# KiCad board for_real_486_2.kicad_pcb (continued)
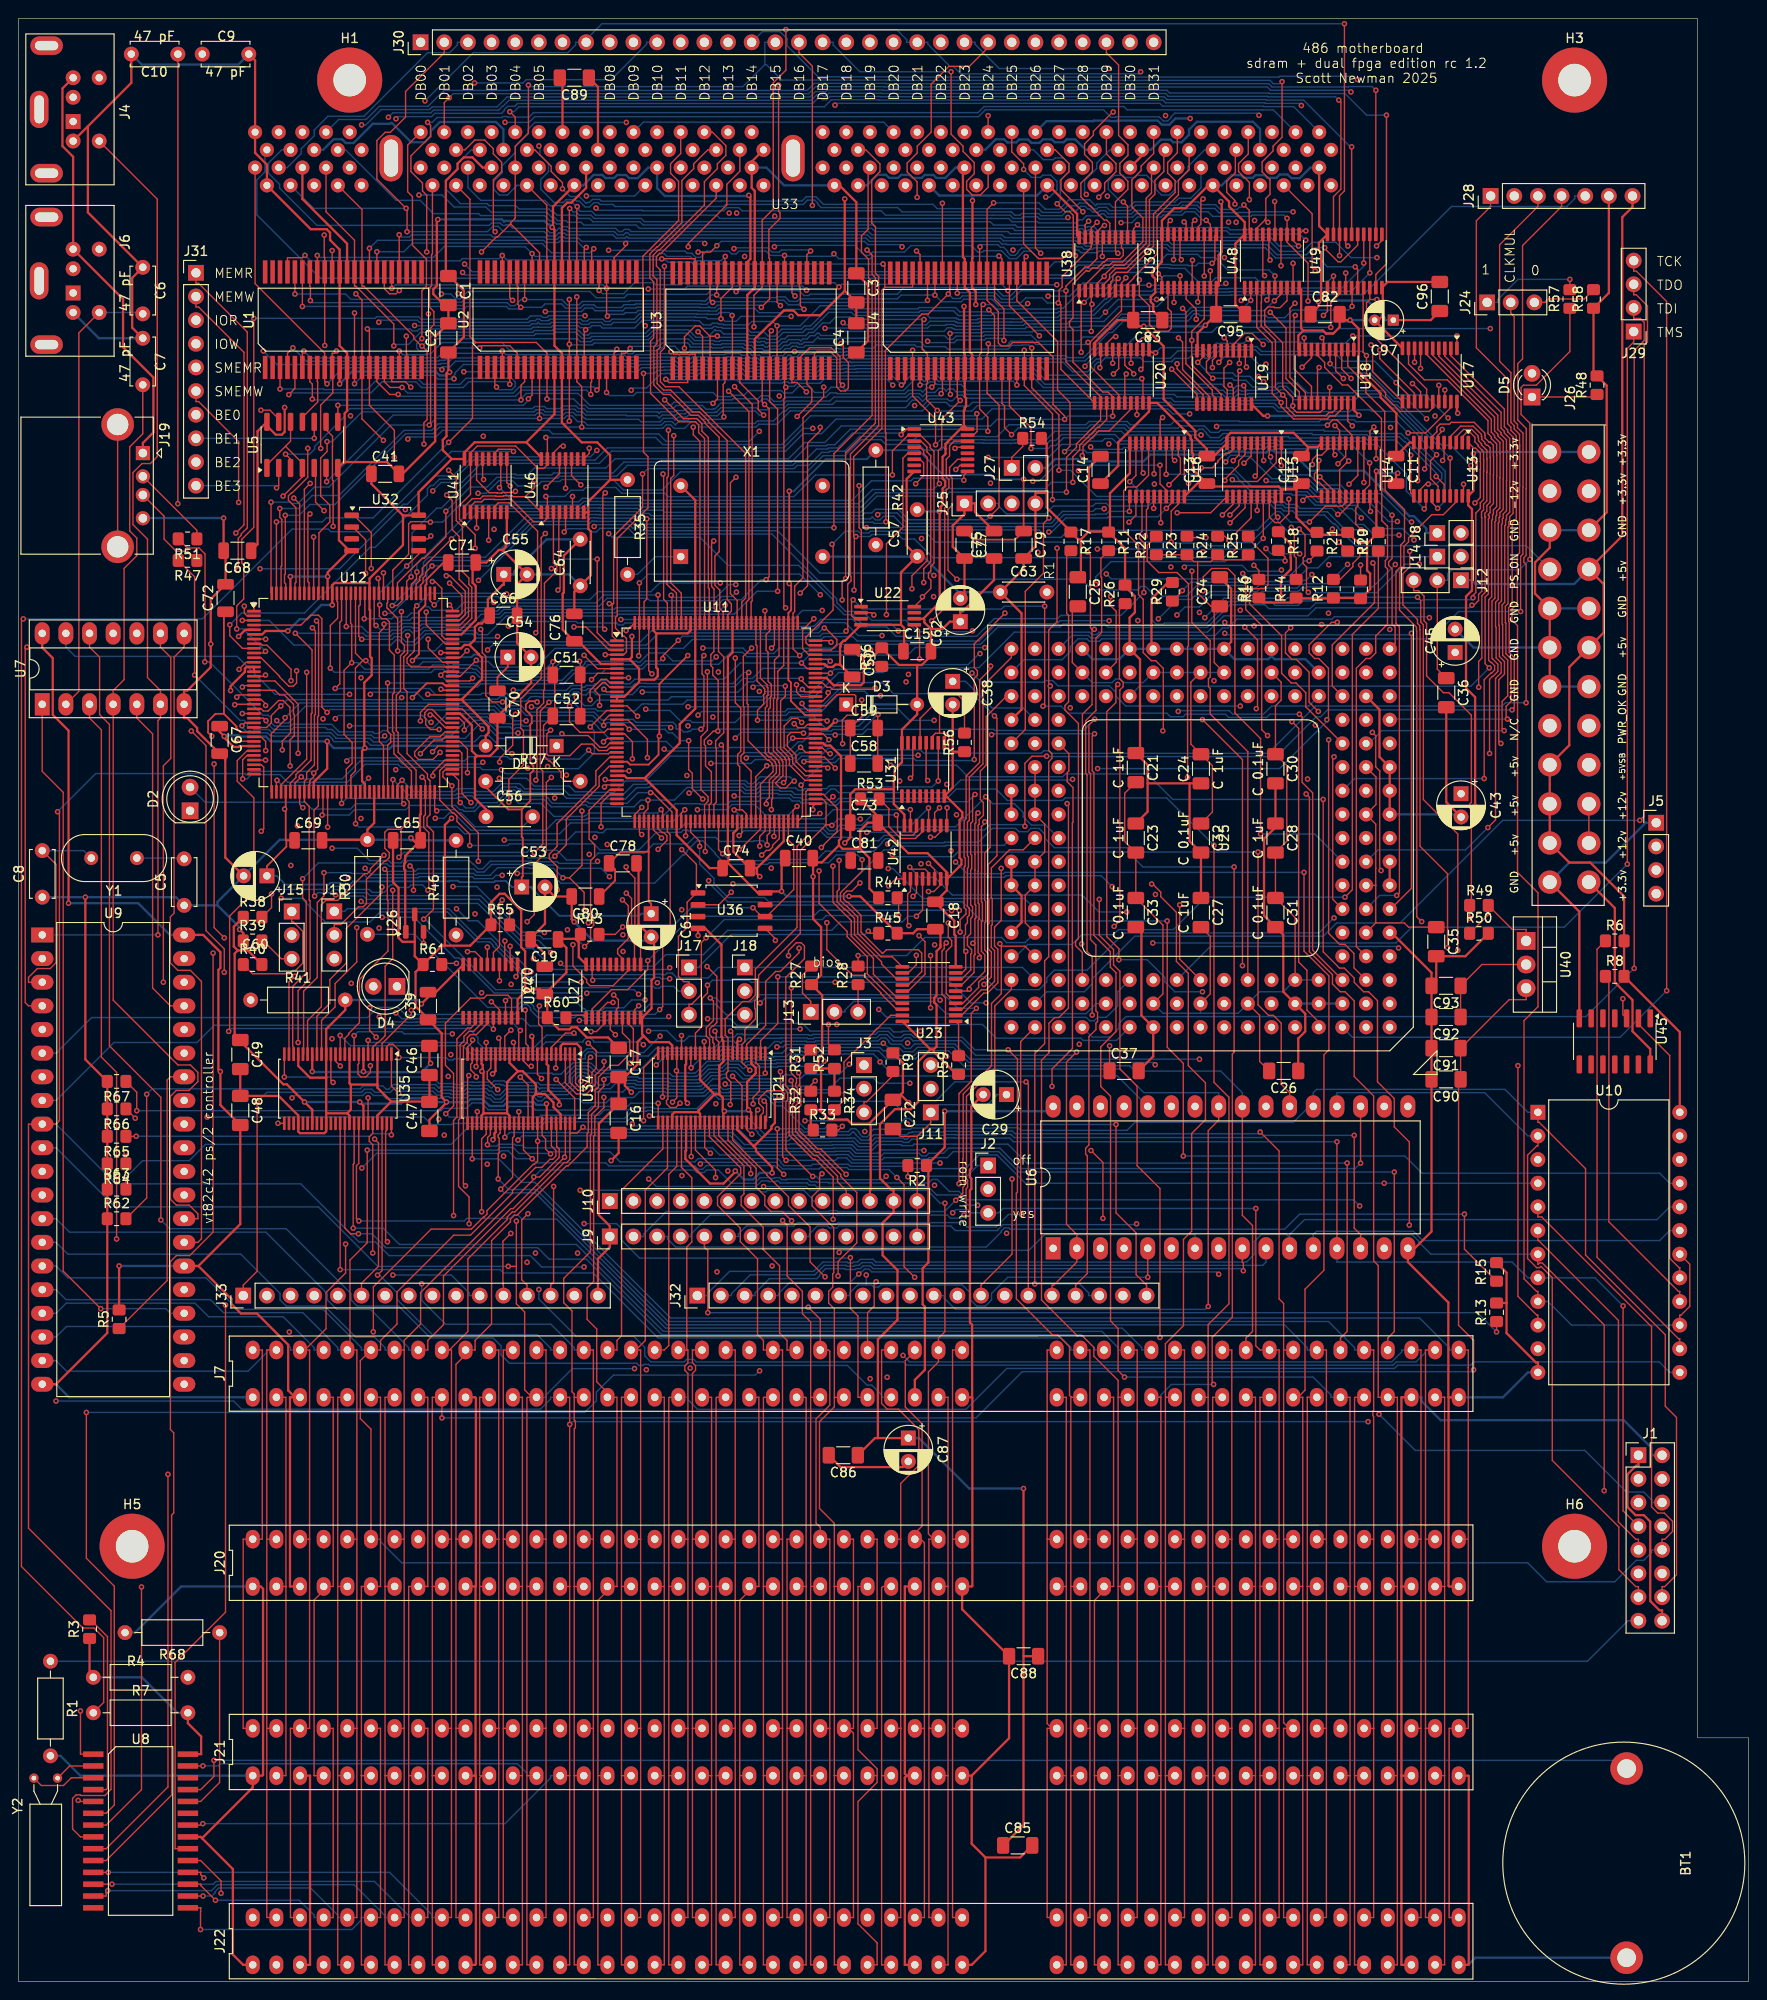
[diagram p0: board, top side]
## Routing (per net, layer and track width the routed paths; a pad name or vN(x,y) marks a point on that pad's centre or on a via; arc(x,y) is an arc through that point) (continued)
D29: length 84.9
  Top w0.15: v1(117.52,173.81) 117.52,173.81 U20.7 ; v1(118.06,139.3) 117.86,139.1 117.86,137.36 116.88,136.38 116.88,112.22 118.19,110.91 v1(118.19,109.74)
  In1.Cu w0.15: v1(118.06,139.3) 118.06,144.02 v1(120.22,146.17)
  In2.Cu w0.15: v1(120.22,146.17) 119.03,147.36 119.03,153.07 118.52,153.59 118.52,167.03 119.04,167.55 119.04,170.02 117.02,172.04 117.02,172.89 117.52,173.39 v1(117.52,173.81) ; v1(127.16,106.3) 128.05,105.41 128.05,103.93 U25.A8
  Bottom w0.15: v1(118.19,109.74) 121.21,109.74 123.13,107.82 123.13,107.36 124.19,106.3 v1(127.16,106.3)
D30: length 76.5
  Top w0.15: v1(117.84,176.67) 117.61,176.67 116.87,175.93 U20.8 ; U25.C9 124.71,109.8 v1(124.71,115.63)
  In2.Cu w0.15: v1(124.71,115.63) 124.71,115.67 118.29,122.09 118.29,138.71 118.64,139.06 118.64,139.54 118.24,139.94 118.24,153.19 118.16,153.27 118.16,167.17 118.69,167.7 118.69,168.47 116.66,170.5 116.66,173.03 116.94,173.31 116.94,175.77 v1(117.84,176.67)
D31: length 76.4
  Top w0.15: U20.9 116.22,173.41 v1(116.14,173.33)
  In2.Cu w0.15: U25.B8 128.05,106.47 128.05,108.28 117.89,118.44 117.89,138.66 117.49,139.06 117.49,139.54 117.89,139.94 117.89,153.05 117.81,153.12 117.81,167.32 118.14,167.65 118.14,168.52 116.14,170.52 v1(116.14,173.33)
D/C: length 123.7
  Top w0.15: 102.71,111.51 102.71,110.34 102.75,110.31 102.62,110.19 102.62,108.36 101.28,107.02 U23.7 ; 102.71,111.51 102.71,114.12 102.82,114.22 102.82,115.57 102.71,115.67 102.71,119.35 102.73,119.37 102.73,121.09 102.71,121.1 102.71,124.33 102.83,124.44 102.83,125.28 v1(103.05,125.51) ; 102.71,111.51 v1(102.49,111.51)
  In1.Cu w0.15: U25.M15 110.44,129.16 106.43,129.16 104.45,127.18 104.45,126.91 v1(103.05,125.51) ; J33.2 27.8,73.66 27.8,73.9 46.16,92.27 46.27,92.27 50.76,96.76 52.2,96.76 54.66,99.22 54.93,99.22 65.93,110.22 68.39,110.22 69.33,111.16 76.18,111.16 76.46,111.44 76.46,111.44 77.42,112.4 88.4,112.4 88.67,112.13 96.1,112.13 96.48,111.75 96.95,111.75 97.33,112.13 100.4,112.13 101.02,111.51 v1(102.49,111.51)
DACK0: length 65.1
  Top w0.15: 128.26,22.1 128.26,42.42 ; 128.26,22.1 J21.70 ; 128.26,22.1 128.26,1.78 J22.70 ; 128.26,42.42 J20.70 ; 128.26,42.42 128.26,62.74 J7.70
DACK1: length 151.8
  Top w0.15: J21.17 64.76,22.1 ; 64.76,22.1 64.76,1.78 J22.17 ; 64.76,22.1 64.76,42.42 ; J7.17 64.76,62.74 64.76,42.42 ; v1(93.45,117.67) 94.21,118.42 U42.1 ; J20.17 64.76,42.42
  In1.Cu w0.15: v1(64.92,110.62) 68.2,110.62 69.09,111.51 76.03,111.51 77.42,112.9 88.69,112.9 v1(93.45,117.67)
  In2.Cu w0.15: v1(64.92,110.62) 64.92,107.77 63.34,106.19 63.34,105.71 63.46,105.6 63.46,105.58 63.21,105.33 63.21,104.68 63.52,104.37 63.52,99.95 63.46,99.89 63.46,98.57 63.43,98.53 63.43,97.12 63.44,97.1 63.44,94.71 61.89,93.16 61.89,90.89 61.67,90.67 61.67,78.69 64.76,75.6 64.76,67.14 65.36,66.54 66.29,66.54 66.81,66.02 66.81,62.74 J7.17
DACK2: length 128
  Top w0.15: J20.26 87.62,42.42 ; 87.62,42.42 87.62,42.42 87.62,22.1 ; 87.62,42.42 87.62,49.2 86.03,50.8 86.03,60.12 87.62,61.71 87.62,62.74 ; v1(95.63,113.4) 95.49,113.54 95.49,116.78 95.8,117.08 U42.2 ; J7.26 87.62,62.74 ; 87.62,62.74 87.62,72.24 87.01,72.85 87.01,74.13 87.44,74.56 87.44,76.01 87.55,76.12 87.55,80.97 85.23,83.29 85.23,84.29 86.04,85.09 86.04,86.49 v1(86.29,86.75) ; J21.26 87.62,22.1 ; 87.62,22.1 87.62,22.1 87.62,1.78 J22.26
  In2.Cu w0.15: v1(95.63,113.4) 91.81,109.59 91.81,102.17 86.68,97.03 86.68,87.13 v1(86.29,86.75)
DACK3: length 150.7
  Top w0.15: 59.68,22.1 59.68,1.78 J22.15 ; 59.68,22.1 J21.15 ; 59.68,22.1 59.68,42.42 ; 59.68,62.74 59.68,63.09 59.44,63.33 59.44,72.01 58.55,72.9 58.55,75.51 61.42,78.37 61.42,90.91 61.54,91.03 61.54,93.13 62.29,93.87 62.29,95.55 62.86,96.13 v1(62.86,96.87) ; 59.68,62.74 J7.15 ; 59.68,62.74 59.68,60.31 59.8,60.19 59.8,59.47 59.68,59.35 59.68,42.42 ; 59.68,42.42 J20.15 ; v1(96.07,116.54) 96.44,116.91 U42.3
  In2.Cu w0.15: v1(96.07,116.54) 95.18,115.65 95.18,114.32 88.9,108.04 88.9,101.2 v1(86.54,98.84)
  Bottom w0.15: v1(86.54,98.84) 85.99,98.29 81.59,98.29 81.52,98.21 79.02,98.21 78.78,98.44 78.3,98.44 77.91,98.06 77.79,98.06 77.34,98.5 76.32,98.5 76.16,98.67 76.12,98.67 75.57,98.12 75.24,98.12 75.11,97.99 74.11,97.99 73,96.87 72.79,96.87 72.77,96.84 71.71,96.84 71.69,96.87 70.09,96.87 69.98,96.98 66.65,96.98 66.49,97.14 63.12,97.14 62.85,96.87 v1(62.86,96.87)
DACK5: length 152.4
  Top w0.15: U42.5 97.75,119.09 97.37,119.46 95.93,119.46 v1(95.72,119.67) ; J22.72 133.34,1.78 133.34,22.1 ; J7.72 133.34,62.74 133.34,42.42 ; J21.72 133.34,22.1 ; 133.34,22.1 133.34,42.42 ; 133.34,42.42 J20.72
  In2.Cu w0.15: J7.72 133.34,62.74 133.34,71.39 130.31,74.42 130.31,84.79 125.09,90.01 125.09,96.36 123.14,98.31 123.14,109.13 119.03,113.24 v1(119.03,114.86)
  Bottom w0.15: v1(119.03,114.86) 116.05,114.86 114.23,116.68 100.3,116.68 98.4,118.57 96.81,118.57 v1(95.72,119.67)
DACK6: length 152.5
  Top w0.15: 138.42,42.42 138.42,62.74 J7.74 ; 138.42,42.42 138.42,22.1 ; 138.42,42.42 J20.74 ; 138.42,22.1 J21.74 ; 138.42,22.1 138.42,1.78 J22.74 ; U42.6 98.39,119.41 v1(97.73,120.08)
  In2.Cu w0.15: J7.74 138.42,62.74 138.42,71.92 135.38,74.96 135.38,86.93 130.18,92.13 130.18,96.53 125.68,101.03 125.68,109.36 v1(117.46,117.59)
  Bottom w0.15: v1(117.46,117.59) 116.28,118.76 106.07,118.76 105.9,118.6 99.21,118.6 v1(97.73,120.08)
DACK7: length 161
  Top w0.15: J22.76 143.5,1.78 143.5,22.1 ; v1(116.08,116.22) 116.08,112.36 117.61,110.83 117.61,109.18 118.29,108.5 118.29,97.99 120.14,96.15 120.14,87.62 122.6,85.16 v1(122.6,69.17) ; J20.76 143.5,42.42 ; 143.5,42.42 143.5,22.1 ; 143.5,42.42 143.5,62.67 143.56,62.74 J7.76 ; 143.5,22.1 J21.76 ; U42.7 99.05,117.8 98.31,117.06 v1(97.73,117.06)
  In1.Cu w0.15: v1(122.6,69.17) 127.1,69.17 127.77,68.49 127.77,67.56 128.8,66.54 139.95,66.54 143.5,62.99 143.5,62.74 J7.76 ; v1(97.73,117.06) 98.2,116.59 115.71,116.59 v1(116.08,116.22)
DACK_CLK: length 72.2
  Top w0.15: U31.12 97.48,129.15 v1(97.65,128.98) ; v1(48.46,122.01) 48.46,123.21 47.08,124.59 47.08,125.16 46.74,125.5 46.62,125.5 45.23,126.89 45.23,130.05 45.86,130.68 U12.75 ; v1(97.73,126.04) 97.75,126.02 U42.12
  In2.Cu w0.15: v1(97.73,126.04) 97.73,128.9 v1(97.65,128.98)
  Bottom w0.15: v1(97.73,126.04) 95.69,123.99 90.87,123.99 90.7,123.83 88.32,123.83 87.73,123.24 86.96,123.24 86.42,123.78 86.42,123.86 86.34,123.94 77.45,123.94 77.09,123.59 71.91,123.59 71.85,123.65 71.37,123.65 71.14,123.41 68.51,123.41 66.63,121.54 62.43,121.54 61.78,122.18 52.72,122.18 52.54,122.01 v1(48.46,122.01)
DACK_SERIAL: length 64
  Top w0.15: U42.14 96.44,123.51 96.04,123.11 94.9,123.11 94.41,123.59 94.41,125.16 v1(94.28,125.28) ; U12.76 45.79,131.18 44.49,129.88 v1(44.49,129.49)
  In1.Cu w0.15: v1(52.16,122.59) 52.16,124.67 50.66,126.17 48.96,126.17 48.83,126.04 48.29,126.04 48.01,126.32 48.01,126.86 47.67,127.2 46.78,127.2 v1(44.49,129.49)
  Bottom w0.15: v1(94.28,125.28) 91.66,125.28 90.56,124.18 88.18,124.18 87.59,123.59 87.11,123.59 86.77,123.93 86.77,124.04 86.47,124.33 71.56,124.33 71,123.77 63.13,123.77 62.75,123.38 62.21,123.38 62.14,123.46 59.84,123.46 58.97,122.59 v1(52.16,122.59)
DB00: length 213.5
  Top w0.15: U12.107 47.34,146.68 47.62,146.96 47.62,148.85 v1(46.29,150.18) ; v1(140.95,177.66) 140.95,180.3 141.88,181.24 U49.3 ; U33.2 25.4,182.36 32.88,174.88 U1.9 32.88,171.83 32.89,171.83 v1(33.13,171.59) ; U17.18 v1(153.19,170.94)
  In1.Cu w0.15: v1(153.19,170.94) 153.12,170.87 147.65,170.87 140.95,177.57 v1(140.95,177.66) ; U33.2 26.31,194.82 27.82,196.33 27.82,196.84 29.21,198.23 29.21,198.86 30.79,200.44 37.17,200.44 43.18,206.44 J30.1
  In2.Cu w0.15: v1(45.47,173.12) 45.4,173.05 45.4,159.22 46.47,158.14 46.47,157.67 45.91,157.11 45.91,154.7 46.51,154.1 46.51,150.41 v1(46.29,150.18)
  Bottom w0.15: v1(33.13,171.59) 34.85,173.32 45.47,173.32 ; 45.47,173.32 45.58,173.42 46.34,173.42 46.94,174.02 64.75,174.02 65.01,173.76 66.36,173.76 66.63,174.02 68.1,174.02 68.17,174.09 68.9,174.09 68.93,174.12 70.5,174.12 70.84,173.78 72.2,173.78 72.55,174.13 73.84,174.13 73.93,174.04 76.16,174.04 76.25,174.13 77.18,174.13 77.34,173.97 77.98,173.97 78.34,173.62 79.14,173.62 79.32,173.43 81.32,173.43 81.44,173.55 82.54,173.55 82.77,173.78 82.81,173.78 83.87,173.78 84.02,173.93 84.08,173.93 84.19,173.82 85.25,173.82 85.64,174.2 86.41,174.2 86.44,174.23 88.16,174.23 88.22,174.29 89.02,174.29 89.08,174.35 89.45,174.35 89.54,174.27 96.83,174.27 96.84,174.28 99.35,174.28 99.37,174.27 112.34,174.27 112.55,174.06 114.55,174.06 115.93,175.44 118.73,175.44 120.41,177.13 128.17,177.13 128.7,177.66 v1(140.95,177.66) ; 45.47,173.32 v1(45.47,173.12)
DB01: length 218.9
  Top w0.15: J30.2 45.72,207.15 41.56,203 41.56,200.25 39.93,198.61 39.37,198.61 38.48,197.72 38.48,193.59 v1(41.62,190.44) 41.72,190.34 v1(41.72,187.94) ; U49.4 142.55,181.94 v1(142.55,183.5) ; v1(34.14,175.12) 33.9,174.88 33.68,174.88 U1.10 33.74,173.29 33.74,170.61 32.44,169.31 v1(32.44,164.66) ; v1(45.94,150.99) 46.31,150.99 47.97,149.33 47.97,146.79 47.37,146.18 U12.106 ; U17.17 v1(152.55,171.44)
  In1.Cu w0.15: v1(32.44,164.66) 32.67,164.66 45.94,151.4 v1(45.94,150.99) ; v1(129.52,185.16) 129.89,185.53 140.52,185.53 v1(142.55,183.5) 142.55,183.18 146.78,178.96 146.78,176.22 151.55,171.44 v1(152.55,171.44)
  In2.Cu w0.15: v1(41.62,190.44) 41.16,190.44 34.14,183.43 v1(34.14,175.12)
  Bottom w0.15: U33.3 31.68,190.44 v1(41.62,190.44) ; v1(129.52,185.16) 128.82,185.85 123.6,185.85 123.24,186.2 115.89,186.2 115.89,186.2 115.52,186.2 115.34,186.03 114.47,186.03 114.19,186.3 113.72,186.3 113.47,186.55 106.17,186.55 106.12,186.6 105.62,186.6 105.33,186.89 103.5,186.89 103.5,186.89 91.37,186.89 91.02,187.24 65.5,187.24 65.32,187.43 65.13,187.24 64.18,187.24 63.83,187.6 60.28,187.6 60.28,187.6 58.83,187.6 58.65,187.77 58.15,187.77 58.1,187.82 58.04,187.82 57.69,187.47 56.92,187.47 56.45,187.95 52.06,187.95 51.49,188.51 50.94,188.51 50.36,187.94 v1(41.72,187.94)
DB02: length 216.1
  Top w0.15: v1(36.08,179.21) U1.13 v1(36.08,171.6) ; v1(45.98,159.65) 46.56,159.07 46.56,155.95 47.32,155.2 47.32,150.6 48.32,149.6 48.32,146.61 47.39,145.68 U12.105 ; U49.7 144.42,181.85 144.42,175 v1(144.78,174.63) 144.78,172.72 146.83,170.67 146.83,170.19 148.4,168.63 151.51,168.63 151.89,169.01 U17.16
  In1.Cu w0.15: U33.4 27.94,187.35 v1(36.08,179.21)
  In2.Cu w0.15: v1(46.77,172.13) 46.77,160.43 v1(45.98,159.65)
  Bottom w0.15: v1(36.08,171.6) 36.99,172.51 44.63,172.51 45.05,172.09 46.35,172.09 46.55,172.29 ; v1(46.77,172.13) 46.71,172.13 46.55,172.29 ; 46.55,172.29 46.87,172.61 46.87,172.76 47.78,173.67 64.61,173.67 64.87,173.41 66.51,173.41 66.77,173.67 68.25,173.67 68.32,173.74 69.05,173.74 69.08,173.77 70.36,173.77 70.7,173.43 72.34,173.43 72.69,173.78 73.69,173.78 73.79,173.69 76.3,173.69 76.4,173.78 77.03,173.78 77.19,173.62 77.84,173.62 78.19,173.27 78.99,173.27 79.18,173.08 81.46,173.08 81.58,173.2 82.69,173.2 82.92,173.43 84.02,173.43 84.05,173.46 85.4,173.46 85.78,173.85 86.56,173.85 86.58,173.87 88.31,173.87 88.37,173.94 89.17,173.94 89.23,174 89.31,174 89.43,173.88 89.62,173.88 89.66,173.92 96.97,173.92 96.98,173.93 99.21,173.93 99.22,173.92 112.19,173.92 113.23,172.88 114.79,172.88 115.13,173.21 115.13,173.33 115.21,173.41 115.21,173.71 115.76,174.26 116.06,174.26 116.54,174.74 121.43,174.74 121.83,174.34 123.71,174.34 124.5,175.13 127.13,175.13 127.58,174.69 127.89,174.69 128.39,175.18 128.48,175.18 128.88,175.59 132.99,175.59 133.51,175.07 144.34,175.07 v1(144.78,174.63) ; J30.3 47.13,208.28 47.13,208 46.29,207.15 43.92,207.15 37.1,200.34 33.23,200.34 31.75,198.86 31.75,198.23 30.36,196.84 30.36,196.33 28.85,194.82 U33.4
DB03: length 217.8
  Top w0.15: 145.13,180.65 U49.8 ; 145.13,180.65 144.78,180.3 144.78,177.49 151.25,171.03 U17.15 ; 145.13,180.65 v1(145.9,180.65) ; v1(46.19,162.3) 47,161.49 47,156.91 47.67,156.24 47.67,151.43 48.36,150.74 48.36,150.06 48.68,149.74 48.68,146.42 47.44,145.18 U12.104 ; v1(36.23,181.26) 36.88,180.61 U1.14 36.88,167.83 v1(39.18,165.52)
  In1.Cu w0.15: v1(36.23,181.26) 36.23,182.06 31.75,186.53 U33.5 ; v1(46.19,162.3) 42.83,162.3 39.6,165.52 v1(39.18,165.52)
  In2.Cu w0.15: U33.5 32.8,191.86 37.92,191.86 40.37,194.32 ; 40.37,194.32 44.51,198.45 44.51,201.4 50.26,207.15 50.8,207.15 J30.4 ; 40.37,194.32 40.67,194.32 43,191.99 v1(43,191.87) ; v1(145.9,180.65) v1(145.9,185.15)
  Bottom w0.15: v1(145.9,185.15) 143.12,185.15 141.47,186.8 138.92,186.8 137.94,185.82 137.25,185.82 137.24,185.82 135.48,185.82 134.33,186.97 124.15,186.97 123.79,187.32 115.54,187.32 115.41,187.44 115.41,187.57 115.2,187.78 115.14,187.78 115.07,187.71 114.3,187.71 114.14,187.87 114.07,187.87 113.91,187.71 106.5,187.71 106.26,187.95 91.98,187.95 91.63,188.3 66.68,188.3 66.33,188.65 60.71,188.65 60.41,188.95 58.96,188.95 58.8,189.12 57.91,189.12 57.57,189.45 57.28,189.45 56.71,190.02 50.75,190.02 50.19,190.59 46.77,190.59 45.49,191.87 v1(43,191.87)
DB04: length 209.6
  Top w0.15: v1(145.13,183.51) U49.13 ; v1(149.72,171.63) 150.59,170.75 150.59,169.68 ; U33.7 36.88,190.32 36.88,182.09 37.09,182.09 42.45,176.72 42.45,176.46 43.27,175.65 v1(43.34,175.65) 43.87,175.11 43.87,167.74 43.54,167.4 v1(43.54,165.12) ; v1(44.44,150.35) 44.72,150.35 45.46,149.62 45.46,144.54 45.82,144.18 U12.102
  In1.Cu w0.15: U33.7 35.16,192.91 39.41,197.17 39.89,197.17 44.47,201.74 46.48,201.74 46.82,202.08 46.82,202.61 52.21,208 52.21,208.28 J30.5
  In2.Cu w0.15: v1(44.44,150.35) 44.44,150.54 43.27,151.71 43.27,164.85 v1(43.54,165.12) ; v1(145.13,183.51) 145.13,179.41 144.78,179.05 144.78,178.07 145.29,177.56 145.43,177.56 148.32,174.67 148.32,173.03 v1(149.72,171.63)
  Bottom w0.15: v1(43.34,175.65) 44.47,176.78 55.36,176.78 55.54,176.96 55.55,176.96 57.49,176.96 57.66,177.13 59.81,177.13 60.02,176.93 60.07,176.93 60.52,176.48 61.29,176.48 61.32,176.5 61.36,176.5 61.54,176.68 67.51,176.68 68.23,177.4 71.95,177.4 72.75,176.59 74,176.59 74.81,177.4 74.82,177.4 74.91,177.3 75.38,177.3 75.73,176.95 78.34,176.95 78.5,176.78 79.15,176.78 79.5,176.43 79.51,176.43 79.57,176.49 80.25,176.49 80.37,176.37 81.38,176.37 82.12,177.11 84.22,177.11 84.57,177.47 85.22,177.47 85.68,177.93 85.68,177.94 86.23,178.48 86.23,178.48 87.03,179.28 89.46,179.28 89.81,178.93 96.86,178.93 97.01,179.08 97.49,179.08 97.91,178.67 100.69,178.67 100.78,178.58 100.91,178.58 101,178.48 102.94,178.48 103.05,178.59 106.8,178.59 106.82,178.57 107.61,178.57 107.77,178.73 110.47,178.73 111.61,178.73 111.87,178.99 115.52,178.99 116.85,180.33 116.97,180.33 117.78,181.13 121.82,181.13 122.14,181.45 130.06,181.45 130.09,181.49 133.66,181.49 133.7,181.53 143.16,181.53 v1(145.13,183.51)
DB05: length 219.7
  Top w0.15: U17.13 149.94,170.56 146.2,174.3 v1(146.2,175.23) ; U49.14 v1(144.49,184.57) ; U12.101 45.82,143.68 43.78,145.71 v1(43.78,147.07) ; v1(40.3,175.67) 40.3,178.01 36.22,182.09 36.08,182.09 36.08,187.01 33.02,190.07 U33.8
  In1.Cu w0.15: U33.8 33.93,194.82 35.44,196.33 35.44,196.84 36.88,198.28 39.57,198.28 41.11,199.82 41.11,200.26 43.41,202.56 44.14,202.56 49.53,207.95 49.53,208.68 50.26,209.41 53.91,209.41 54.75,208.56 54.75,208.28 J30.6
  In2.Cu w0.15: v1(144.49,184.57) 144.16,184.24 144.16,179.53 144.03,179.4 144.03,177.82 145.85,176.01 145.85,175.58 v1(146.2,175.23) ; v1(43.78,147.07) 43.78,148.43 41.47,150.75 41.47,151.06 41.86,151.45 41.94,151.45 42.38,151.89 42.38,167.97 40.17,170.18 40.17,175.54 v1(40.3,175.67)
  Bottom w0.15: v1(144.49,184.57) 144.49,184.24 142.13,181.88 133.56,181.88 133.51,181.84 129.95,181.84 129.91,181.8 121.99,181.8 121.74,181.55 117.69,181.55 116.82,180.68 116.64,180.68 115.31,179.34 111.73,179.34 111.59,179.21 104.75,179.21 104.48,178.94 102.9,178.94 102.89,178.93 100.93,178.93 100.42,179.43 96.87,179.43 96.71,179.28 89.96,179.28 89.61,179.63 86.88,179.63 85.07,177.82 84.43,177.82 84.08,177.47 81.98,177.47 81.23,176.72 80.51,176.72 80.1,177.13 78.65,177.13 78.22,177.56 75.62,177.56 75.52,177.66 75.05,177.66 74.96,177.75 74.66,177.75 74.47,177.56 73.41,177.56 73.16,177.81 68.14,177.81 67.36,177.03 61.4,177.03 61.22,176.86 61.17,176.86 61.14,176.83 60.67,176.83 60.33,177.17 60.22,177.28 60.16,177.28 59.96,177.48 57.51,177.48 57.4,177.37 57.4,177.37 57.34,177.32 55.7,177.32 55.69,177.33 55.41,177.33 55.21,177.13 43.18,177.13 41.87,175.83 40.45,175.83 v1(40.3,175.67)
DB06: length 219.6
  Top w0.15: 33.68,183.62 v1(33.68,185.91) ; U12.99 46.56,142.72 v1(45.34,142.72) ; U49.17 142.54,186.64 v1(142.78,186.4) ; v1(147.96,171.73) 149.3,170.39 U17.12
  In1.Cu w0.15: J30.7 57.29,208.28 57.29,208.03 52.28,203.01 48.64,203.01 44.57,198.95 44.57,198.44 39.05,192.91 U33.9 36.83,189.06 v1(33.68,185.91) 40.47,179.12 v1(44.03,179.12)
  In2.Cu w0.15: v1(142.78,186.4) 143.49,186.4 145.08,184.8 145.08,184.33 144.51,183.76 144.51,179.38 144.39,179.25 144.39,177.97 147.96,174.4 v1(147.96,171.73) ; v1(45.34,142.72) 45.76,143.14 45.76,146.17 46.86,147.28 46.86,153.23 47.21,153.58 47.21,171.53 47.81,172.13 v1(47.81,172.89) 44.03,176.68 v1(44.03,179.12)
  Bottom w0.15: v1(147.96,171.73) 145.66,174.02 142.26,174.02 141.56,174.72 133.37,174.72 132.84,175.24 129.03,175.24 128.12,174.33 127.43,174.33 126.99,174.78 126.13,174.78 125.67,174.33 124.2,174.33 123.85,173.98 120.89,173.98 120.49,174.39 116.72,174.39 116.25,173.91 115.9,173.91 115.57,173.57 115.57,173.16 114.93,172.52 110.71,172.52 109.67,173.57 99.07,173.57 99.06,173.58 97.13,173.58 97.12,173.57 89.8,173.57 89.76,173.52 89.29,173.52 89.23,173.58 88.52,173.58 88.45,173.52 86.73,173.52 86.7,173.5 85.93,173.5 85.54,173.11 84.2,173.11 84.16,173.08 83.06,173.08 82.83,172.85 81.73,172.85 81.61,172.73 79.03,172.73 78.85,172.91 78.04,172.91 77.69,173.27 77.05,173.27 76.89,173.43 76.54,173.43 76.45,173.34 73.64,173.34 73.55,173.43 72.84,173.43 72.49,173.08 70.55,173.08 70.21,173.42 69.22,173.42 69.19,173.39 68.46,173.39 68.39,173.32 66.92,173.32 66.49,172.89 v1(47.81,172.89)
DB07: length 226.6
  Top w0.15: v1(142.41,210.27) 142.41,192.31 141.88,191.79 U49.18 v1(141.88,185.37) ; U17.11 145.45,172.88 145.45,175.6 v1(145.27,175.77) ; U12.98 47.42,142.18 v1(48.16,142.92) ; v1(32.83,187.57) 32.83,185.19 32.88,185.14 v1(32.88,175.71)
  In1.Cu w0.15: v1(43.65,201.98) 43.65,201.86 39.43,197.64 39.22,197.64 36.39,194.82 U33.10 34.61,194.82 32.83,193.04 v1(32.83,187.57) ; v1(49.91,165.96) 46.51,169.36 39.19,169.36 34.72,173.83 34.58,173.83 32.88,175.53 v1(32.88,175.71)
  In2.Cu w0.15: v1(141.88,185.37) 141.88,185.01 143.81,183.08 143.81,179.67 143.68,179.55 143.68,177.36 v1(145.27,175.77) ; v1(49.91,165.96) 50.78,165.09 50.78,158 51.69,157.09 51.69,155.01 50.04,153.37 50.04,146.56 48.88,145.39 48.88,144.13 48.16,143.42 v1(48.16,142.92)
  Bottom w0.15: 60.67,208.28 62.66,210.27 v1(142.41,210.27) ; 60.67,208.28 J30.8 ; 60.67,208.28 59.83,208.28 59.83,208 58.99,207.15 48.82,207.15 v1(43.65,201.98)
DB08: length 207.5
  Top w0.15: v1(55.96,167.88) 55.95,167.88 U2.9 ; U48.3 133,177.65 134.65,176 134.65,170.55 v1(135.61,169.59) 135.61,169.15 136.95,167.82 140.55,167.82 140.88,168.15 141.39,168.15 142.12,168.88 U18.18 ; U12.144 27.11,149.17 v1(27.11,158.88) ; v1(44.12,167.17) 44.25,167.3 44.25,177.59 44.61,177.95 44.61,179.36 44.14,179.82 44.14,181.92 44.36,182.14 44.36,185.47 44.45,185.56 U33.11
  In1.Cu w0.15: J30.9 62.37,208.28 62.37,208 60.95,206.57 56.36,206.57 54.4,204.61 54.38,204.61 53.83,204.07 53.83,204.04 49.47,199.68 47.83,199.68 47.16,199.01 47.16,198.41 45.84,197.09 45.84,196.45 44.45,195.06 U33.11
  Bottom w0.15: v1(27.11,158.88) 29.18,158.88 29.32,158.75 30.01,158.75 31.77,160.5 33.32,160.5 39.99,167.17 v1(44.12,167.17) 44.83,167.88 v1(55.96,167.88) 58.61,167.88 58.89,168.16 59.43,168.16 60.07,167.53 60.73,167.53 61.1,167.16 69.03,167.16 69.41,167.54 70.18,167.54 70.54,167.18 71.02,167.67 71.89,167.67 72.08,167.86 72.85,167.86 73.38,167.33 79.09,167.33 79.36,167.61 81.08,167.61 82.13,168.66 82.38,168.66 82.76,169.04 95.29,169.04 95.66,169.41 95.66,169.5 96,169.84 96.48,169.84 96.82,169.5 96.82,169.41 96.97,169.26 97.14,169.26 97.85,169.96 99.77,169.96 99.96,169.77 100.29,169.77 100.9,170.38 101.38,170.38 101.71,170.05 123.77,170.05 124.14,169.68 129.11,169.68 129.3,169.49 130.95,169.49 131.22,169.76 132.27,169.76 132.34,169.84 135.36,169.84 v1(135.61,169.59)
DB09: length 203.2
  Top w0.15: U18.17 141.47,168.87 141.11,168.5 140.74,168.5 140.41,168.17 137.11,168.17 136.19,169.09 136.19,169.99 v1(135.79,170.39) 135,171.18 135,176.28 133.47,177.81 133.47,180.34 133.5,180.37 133.5,181.78 U48.4 ; v1(46.19,165.31) 48.75,167.87 48.75,175.69 49.1,176.04 ; U33.13 48.48,191.43 48.48,176.67 49.1,176.04 ; 49.1,176.04 55.59,176.04 56.75,174.88 U2.10 v1(56.75,169.97) ; U12.143 v1(27.69,156.76)
  In1.Cu w0.15: J30.10 65.06,208.28 65.06,208.17 61.15,204.26 54.52,204.26 54.18,203.92 54.18,203.54 49.53,198.88 49.53,198.23 48.14,196.84 48.14,196.33 46.99,195.18 U33.13
  Bottom w0.15: v1(135.79,170.39) 135.59,170.19 132.2,170.19 132.12,170.12 131.08,170.12 130.8,169.84 129.45,169.84 129.1,170.19 124.4,170.19 124.14,170.46 101.8,170.46 101.53,170.73 100.69,170.73 100.39,171.04 99.85,171.04 99.63,170.82 99.34,171.12 98.86,171.12 98.41,170.67 97.55,170.67 97.1,170.21 96.77,170.54 95.71,170.54 95.33,170.17 87.56,170.17 87.13,169.74 82.47,169.74 82.09,169.36 80.97,169.36 80.37,169.96 79.89,169.96 79.45,169.52 75.42,169.52 75.16,169.25 74.82,168.92 74.67,168.92 74.61,168.87 73.84,168.87 73.43,169.27 70.63,169.27 70.31,168.94 68.66,168.94 68.65,168.94 61.21,168.94 60.86,169.29 60.3,169.29 59.62,169.97 v1(56.75,169.97) ; v1(27.69,156.76) 32.62,156.76 33.06,157.2 38.08,157.2 v1(46.19,165.31)
DB10: length 205
  Top w0.15: v1(134.89,180.51) 135.59,181.21 U48.7 ; v1(28.05,158.2) 28.05,157.25 28.27,157.03 28.27,152.06 28.19,151.98 U12.142 ; v1(59.15,180.65) 59.16,180.65 v1(59.16,175.85) U2.13 v1(59.16,167.59) ; U18.16 v1(140.82,171.21)
  In1.Cu w0.15: v1(59.15,180.65) 57.65,180.65 45.72,192.58 U33.14
  In2.Cu w0.15: v1(140.82,171.21) 140.82,171.24 135.02,177.04 135.02,180.37 v1(134.89,180.51) ; U33.14 45.72,196.96 46.99,198.23 46.99,201.93 v1(48.97,203.91)
  Bottom w0.15: J30.11 67.45,208.28 67.45,208.08 63.64,204.26 54.52,204.26 54.17,203.91 v1(48.97,203.91) ; v1(134.89,180.51) 134.86,180.51 133.81,179.45 126.1,179.45 125.35,178.7 118.56,178.7 117.32,177.46 116.82,177.46 115.99,176.63 114.35,176.63 113.89,176.17 109.41,176.17 108.76,176.82 106.09,176.82 106.07,176.83 103.78,176.83 103.67,176.72 100.7,176.72 100.34,176.37 99.86,176.37 99.46,176.77 91.46,176.77 91.19,176.5 88.1,176.5 88.04,176.43 86.04,176.43 85.86,176.61 85.3,176.06 84.37,176.06 84.17,175.86 83.86,175.86 83.72,175.99 82.95,175.99 82.69,175.73 82.46,175.73 82.46,175.73 82.23,175.73 81.82,175.31 80.71,175.31 80.59,175.19 80.05,175.19 79.87,175.38 79.06,175.38 78.71,175.73 78.07,175.73 77.9,175.89 75.52,175.89 75.43,175.8 74.66,175.8 74.57,175.89 72.46,175.89 72.45,175.9 71.94,176.41 68.91,176.41 68.47,175.97 61.83,175.97 61.63,175.77 59.23,175.77 v1(59.16,175.85) ; v1(28.05,158.2) 30.14,158.2 31.54,159.6 34.4,159.6 41.39,166.59 44.36,166.59 45.07,167.3 58.87,167.3 v1(59.16,167.59)
DB11: length 204.8
  Top w0.15: v1(59.95,180.94) U2.14 59.95,171.83 60.49,171.29 v1(60.49,166.94) ; U48.8 136.25,180.53 135.49,179.77 134.92,179.77 134.84,179.85 134.2,179.85 133.85,179.5 133.85,177.92 135.78,176 135.78,171.24 136.87,170.15 v1(136.87,169.24) 136.87,168.95 137.29,168.52 139.8,168.52 140.17,168.9 U18.15 ; U12.141 28.69,150.1 28.56,150.23 28.56,151.09 28.64,151.18 v1(28.64,157.47)
  In1.Cu w0.15: J30.12 69.99,208.28 69.99,208.02 64.87,202.9 58.68,202.9 54.73,198.95 54.73,198.51 53.73,197.51 52.99,197.51 52.66,197.84 51.72,197.84 50.92,197.05 50.92,196.61 49.53,195.21 U33.15 59.95,182.49 v1(59.95,180.94)
  Bottom w0.15: v1(28.64,157.47) 30.13,157.47 31.29,158.63 33.96,158.63 41.57,166.24 44.51,166.24 45.22,166.95 60.48,166.95 v1(60.49,166.94) 60.63,166.81 69.18,166.81 69.22,166.85 69.56,167.19 70.04,167.19 70.42,166.81 71.53,166.81 72.23,167.51 72.71,167.51 73.04,167.17 73.04,167.06 73.15,166.95 79.21,166.95 79.51,167.25 81.47,167.25 82.9,168.69 97.07,168.69 97.99,169.61 99.62,169.61 100.02,169.21 102.06,169.21 102.46,169.61 123.72,169.61 123.99,169.33 128.96,169.33 129.16,169.14 131.09,169.14 131.37,169.41 132.41,169.41 132.49,169.49 134.9,169.49 135.04,169.35 135.04,169.35 135.37,169.01 136.64,169.01 v1(136.87,169.24)
DB12: length 203.1
  Top w0.15: U18.14 139.52,173.17 v1(139.69,173.35) ; v1(59.99,190.64) 59.95,190.6 59.95,183.62 ; v1(136.25,189.37) U48.13 136.25,186.8 138.5,184.55 v1(138.5,180.48) ; U12.139 29.69,150.18 29.79,150.27 29.79,158.27 28.98,159.08 28.98,159.56 29.32,159.9 29.4,159.9 31.06,161.56 v1(31.06,164.66)
  In2.Cu w0.15: J30.13 73.66,207.15 77.59,203.22 77.59,198.19 78.22,197.56 79.26,197.56 79.49,197.79 80.43,197.79 81.21,197.01 v1(81.21,189.6) ; v1(138.5,180.48) 138.66,180.32 138.66,174.38 v1(139.69,173.35) ; U33.16 49.09,194.82 50.57,193.34 50.57,192.48 48.84,190.75 48.01,190.75 36.86,179.6 36.86,176.57 30.97,170.68 30.97,164.75 v1(31.06,164.66)
  Bottom w0.15: 60.15,190.28 59.98,190.46 59.98,190.57 59.53,191.01 58.95,191.01 58.58,190.64 58.38,190.64 58.29,190.72 57.1,190.72 56.52,191.3 49.64,191.3 48.26,192.67 U33.16 ; 60.15,190.28 60.31,190.12 61.56,190.12 61.98,189.71 74.96,189.71 75.31,189.36 81.21,189.36 ; 60.15,190.28 60.15,190.28 60.15,190.48 v1(59.99,190.64) ; v1(81.21,189.6) 81.21,189.36 ; 81.21,189.36 92.07,189.36 92.07,189.36 104.52,189.36 104.52,189.35 106.35,189.35 106.7,189 107.87,189 107.87,189.01 109.46,189.01 109.59,188.88 113.59,188.88 113.92,189.21 114.27,189.21 114.69,189.64 116.07,189.64 116.29,189.85 116.56,189.85 116.91,189.5 119.69,189.5 120.05,189.86 120.32,189.86 120.33,189.85 122.57,189.85 122.79,190.08 124.82,190.08 125.17,190.43 126.44,190.43 126.79,190.08 127.76,190.08 128.26,189.58 132.38,189.58 132.52,189.72 135.89,189.72 v1(136.25,189.37)